# Allegro board Test_Version_2Layer_Buidling.brd (continued)
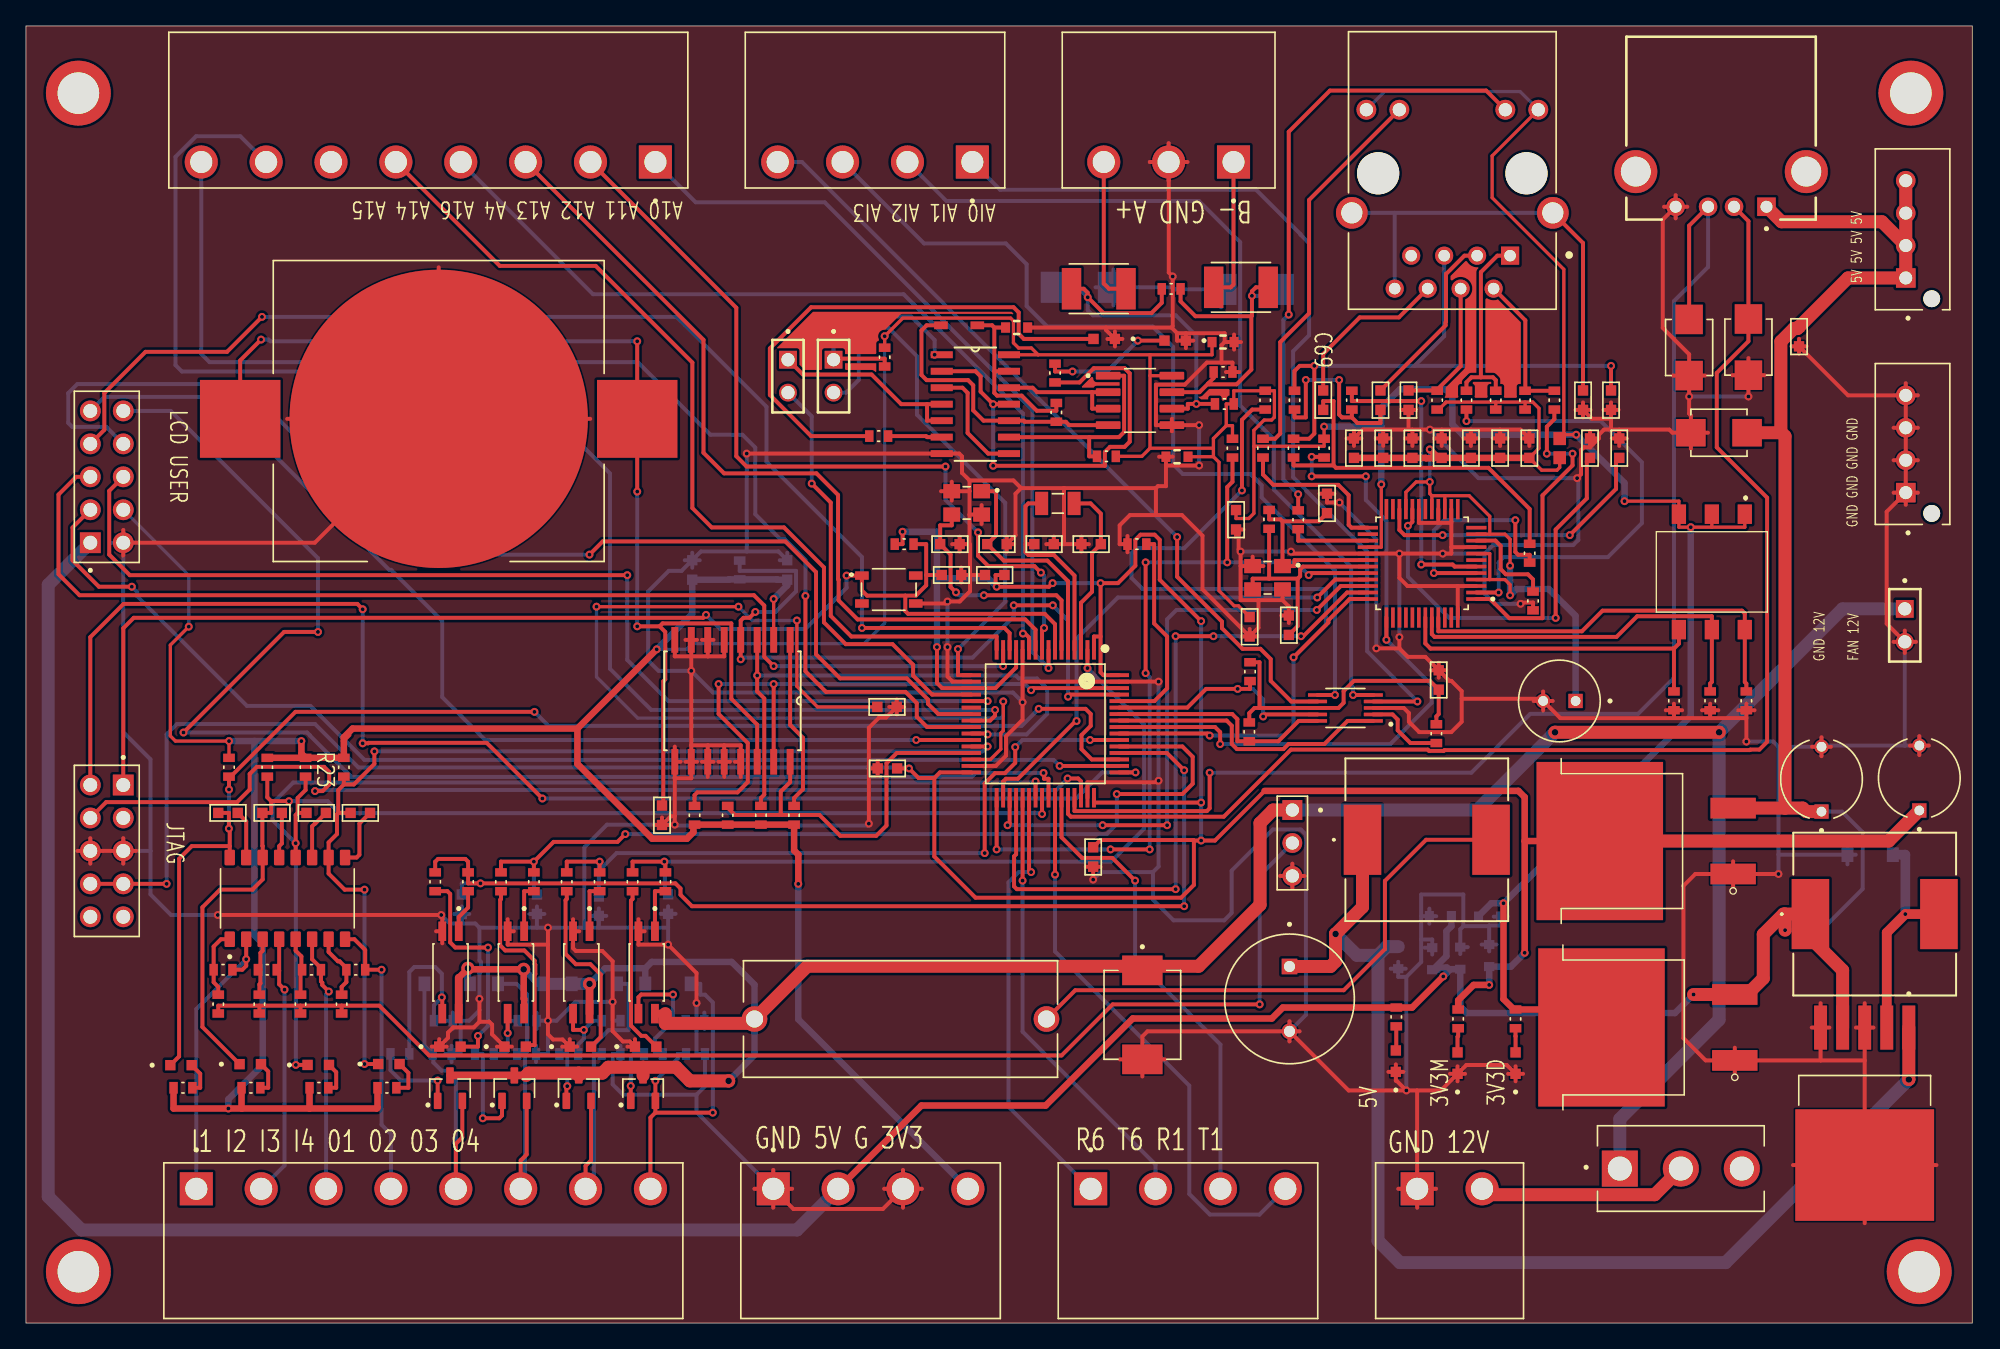
[diagram p0: board, top side]
## Routing (per net, layer and track width the routed paths; a pad name or vN(x,y) marks a point on that pad's centre or on a via; arc(x,y) is an arc through that point) (continued)
ADC1_IN13: length 69.9
  TOP w0.305: v1(76.84,53.15) 77.01,53.15 77.31,52.85 U34.11
  BOTTOM w0.305: J24.4 43.7,79.32 67.64,79.32 76.84,70.12 v1(76.84,53.15)
ADC1_IN14: length 109.9
  TOP w0.305: v1(74.69,47.27) 74.69,46.83 74.31,46.45 U34.24
  BOTTOM w0.305: v1(74.69,47.27) 48.19,47.27 45.01,50.44 45.01,65.5 37.15,73.36 12.02,73.36 11.52,73.85 11.52,89.91 13.11,91.5 16.52,91.5 J24.7
ADC1_IN15: length 94.7
  TOP w0.305: v1(60.07,56.06) 60.07,50.25 61.66,48.66 67.79,48.66 68.65,47.79 68.65,46.74 69.45,45.95 U34.25
  BOTTOM w0.305: v1(60.07,56.06) 60.07,58.84 58.49,60.43 58.14,60.43 56.21,62.36 56.21,67.5 55.22,68.48 52.75,68.48 47.16,74.08 14.15,74.08 13.51,74.72 J24.8
ADC_ADDR: length 22.2
  TOP w0.305: U34.57 92.53,46.45 92.93,46.05 92.93,44.65 93.33,44.25 96.92,44.25 97.31,44.64 100.07,44.64 101.85,46.42 U44.1
ADC_SCL: length 17.8
  TOP w0.305: U34.58 92.97,46.95 93.36,46.55 93.36,44.86 R2.2 96.52,44.86 98.08,46.42 U44.10
ADC_SDA: length 19.2
  TOP w0.305: v1(95.35,46.76) 95.51,46.92 U44.9 ; U34.59 89.51,47.45 90.95,48.89 v1(93.39,48.89) 94.34,48.89 R3.2
  BOTTOM w0.305: v1(95.35,46.76) 95.35,48.1 94.55,48.89 v1(93.39,48.89)
AIN1: length 68.3
  TOP w0.305: U44.5 v1(102.28,48.42)
  BOTTOM w0.305: J26.2 70.94,86.51 90.4,86.51 93.58,83.33 93.58,70.73 96.17,68.14 96.17,64.26 102.13,58.3 102.13,49.15 102.28,49 v1(102.28,48.42)
AIN2: length 69.7
  TOP w0.305: U44.6 v1(100.88,48.42)
  BOTTOM w0.305: v1(100.88,48.42) 100.88,58 95.24,63.65 95.24,64.59 94.37,65.45 89.16,65.45 88.41,66.2 88.41,75.24 86.83,76.83 78.71,76.83 77.12,78.42 77.12,81.63 75.52,83.23 69.21,83.23 J26.3
AIN3: length 61.9
  TOP w0.305: U44.7 97.52,47.92 95.93,49.51 95.93,51.19 95.14,51.98 93.76,51.98 92.18,53.57 92.18,54.08 88.72,57.54 v1(88.72,60.6)
  BOTTOM w0.305: J26.4 59.81,89.51 v1(88.72,60.6)
AINO: length 71.8
  TOP w0.305: U44.4 v1(107.24,47.92)
  BOTTOM w0.305: J26.1 75.08,87.37 94.8,87.37 98.23,83.94 98.23,83.91 98.89,83.25 98.89,76.15 97.66,74.92 97.66,65.21 98.71,64.17 98.71,64.14 103.37,59.48 103.37,51.79 v1(107.24,47.92)
B: length 24.5
  TOP w0.305: 94.44,77.62 90.13,77.62 88.98,78.76 R253.2 ; 94.44,77.62 94.49,77.67 v1(94.49,79.19) 94.49,79.55 94.79,79.85 F5.1 ; 94.44,77.62 94.44,73.51 93.3,72.37 91.17,72.37 91.11,72.43 ; 91.53,73.32 91.53,72.85 91.11,72.43 ; 91.11,72.43 90.44,71.77 U40.7
  BOTTOM w0.305: v1(94.49,79.19) 96,79.19 D119.C
BEEP: length 109.1
  TOP w0.305: U34.41 78.81,41.96 78.47,41.96 78.47,42.37 v1(78.42,42.41) ; v1(12.14,45.53) 19.9,53.28 v1(22.51,53.28)
  BOTTOM w0.305: v1(12.14,45.53) 21.67,45.53 21.88,45.31 21.88,45.3 25.08,42.1 72.88,42.1 73.19,42.41 v1(78.42,42.41) ; v1(22.51,53.28) 22.51,58.97 11.16,70.32 J72.10
BOOT0: length 16.2
  TOP w0.305: U34.60 86.97,47.95 87.95,48.93 87.95,52.94 86.95,53.94 86.95,60.05 R234.1
BUTTON1: length 91.9
  TOP w0.305: U34.50 v1(79.67,42.95) ; J72.3 3.59,61.33 3.59,58.8 5.62,56.77 v1(8.16,56.77)
  BOTTOM w0.305: v1(8.16,56.77) 8.57,56.35 8.57,56.04 17.03,47.58 21.92,47.58 26.09,43.42 79.2,43.42 v1(79.67,42.95)
BUTTON2: length 88.5
  TOP w0.305: U34.15 v1(75.31,50.65) ; J72.5 3.88,65.24 2.51,63.87 2.51,57.73 4.13,56.11 56.11,56.11 56.9,55.32 56.9,51.37 v1(57.62,50.65)
  BOTTOM w0.305: v1(75.31,50.65) v1(57.62,50.65)
BUTTON3: length 82.7
  TOP w0.305: U34.27 v1(68.61,44.95)
  BOTTOM w0.305: v1(68.61,44.95) 35.39,44.95 32.08,48.26 32.08,54.13 28.14,58.07 27.99,58.07 14.66,71.4 6.04,71.4 J72.9
CGND: length 36
  TOP w0.305: J10.15 120,83.26 C142.1
  BOTTOM w0.305: 105.49,85.59 J10.8 ; 105.49,85.59 J10.15 ; 105.49,85.59 102.19,85.59
ETHERNET_CS: length 63.9
  TOP w0.305: U14.32 99.02,57.82 v1(98.86,57.66) ; v1(86.29,50.11) v1(86.29,58.65) ; U34.33 v1(74.81,36.52) ; v1(83.59,36.52) v1(86.6,36.52) ; R70.1 92.99,64.86 92.58,64.45 v1(92.58,58.65)
  BOTTOM w0.305: v1(74.81,36.52) v1(83.59,36.52) ; v1(86.29,50.11) 86.6,49.8 v1(86.6,36.52) ; v1(98.86,57.66) 97.88,58.65 v1(92.58,58.65) v1(86.29,58.65)
ETHERNET_INTN: length 68.3
  TOP w0.305: U14.36 102.02,55.82 100.38,54.18 100.38,54.01 v1(97.69,51.32) ; U34.55 91.07,45.45 v1(91.23,45.29) ; v1(93.72,64.19) 93.72,69.63 94.51,70.42 R68.1
  BOTTOM w0.305: v1(93.72,64.19) 89.26,59.74 85.6,59.74 85.2,59.34 85.2,57.45 86.06,56.59 99.96,56.59 100.17,56.38 100.17,53.8 v1(97.69,51.32) 97.69,46.05 96.94,45.29 v1(91.23,45.29)
ETHERNET_MISO: length 46.9
  TOP w0.305: U34.35 75.81,38.54 v1(75.65,38.38) ; v1(99.48,54.97) 101.33,56.82 U14.34 ; v1(87.95,38.38) v1(82.98,38.38)
  BOTTOM w0.305: v1(82.98,38.38) v1(75.65,38.38) ; v1(99.48,54.97) 88.67,54.97 87.95,54.25 v1(87.95,38.38)
ETHERNET_MOSI: length 55.2
  TOP w0.305: U14.35 101.82,56.32 98.45,52.95 v1(98.27,52.95) ; v1(91.52,52.95) v1(88.6,52.95) ; v1(88.6,33.45) 76.37,33.45 76.15,33.67 76.15,35.98 76.31,36.14 U34.36
  BOTTOM w0.305: v1(88.6,52.95) v1(88.6,33.45) ; v1(98.27,52.95) v1(91.52,52.95)
ETHERNET_RTSN: length 54.4
  TOP w0.305: R67.1 100.05,66.78 v1(99.09,66.78) ; U14.37 v1(104.85,52.67) ; U34.56 91.64,45.95 92.04,45.55 v1(92.04,44.64) ; v1(99.09,65.28) v1(103.26,65.28)
  BOTTOM w0.305: v1(99.09,66.78) v1(99.09,65.28) ; v1(92.04,44.64) 105.15,44.64 108.33,47.81 108.33,49.19 v1(104.85,52.67) 104.85,61.87 103.26,63.46 v1(103.26,65.28)
ETHERNET_SCK: length 39.5
  TOP w0.305: U34.34 75.31,41.75 75.53,41.96 76.45,41.96 80.9,46.42 v1(80.97,46.42) ; v1(99.52,55.94) 100.9,57.32 U14.33
  BOTTOM w0.305: v1(99.52,55.94) 84.15,55.94 80.97,52.76 v1(80.97,46.42)
GPIO_INPUT_1: length 79.3
  TOP w0.305: U34.28 v1(74.11,44.45) ; C54.2 24.07,39.33 ; 24.07,39.33 24.07,41.09 24.5,41.52 ; 24.07,39.33 23.97,39.23 23.97,37.7 23.32,37.06 U8.10 23.32,34.65 24.56,33.41 v1(26.09,33.41) ; v1(26.85,44.07) 26.85,43.11 25.26,41.52 24.5,41.52 ; R24.2 24.5,41.52 ; D30.2 v1(26.09,19.97)
  BOTTOM w0.305: v1(74.11,44.45) 73.74,44.07 v1(26.85,44.07) ; v1(26.09,19.97) v1(26.09,33.41)
GPIO_INPUT_2: length 89.8
  TOP w0.305: 20.94,39.33 20.79,39.17 v1(20.79,36.99) U8.12 ; 20.94,39.33 20.94,40.48 21.55,41.09 R23.2 ; 20.94,39.33 C53.2 ; D29.2 v1(20.8,19.9) ; U34.39 v1(77.81,41.75)
  BOTTOM w0.305: v1(20.8,19.9) 20.8,36.98 v1(20.79,36.99) 19.01,38.77 19.01,40.08 20.6,41.67 77.73,41.67 v1(77.81,41.75)
GPIO_INPUT_3: length 88.6
  TOP w0.305: U34.40 v1(78.31,39.25) ; 18.9,40.23 18.6,40.53 R22.2 ; 18.9,40.23 18.9,39.33 C52.2 18.22,36.79 18.25,36.77 18.25,34.21 17.45,33.41 14.96,33.41 13.6,32.06 13.6,22.82 D28.2 ; 18.9,40.23 v1(20.27,40.23)
  BOTTOM w0.305: v1(20.27,40.23) 23.25,40.23 24.18,39.31 78.25,39.31 v1(78.31,39.25)
GPIO_INPUT_4: length 104.7
  TOP w0.305: D27.2 11.8,20.56 11.8,35.79 12.78,36.77 15.7,36.77 ; v1(15.65,41.13) R21.2 15.77,42.12 20.77,47.12 v1(39.19,47.12) ; U8.16 15.7,36.77 ; 15.7,36.77 15.7,38.06 v1(15.64,38.12) 15.64,39.33 C51.2 ; U34.51 82.14,43.45 81.35,44.24 81.35,45.33 82.06,46.04 82.06,46.96 81.66,47.35 v1(78.05,47.35)
  BOTTOM w0.305: v1(39.19,47.12) 40.27,46.04 76.74,46.04 v1(78.05,47.35) ; v1(15.64,38.12) 15.65,38.13 v1(15.65,41.13)
GPIO_OUTPUT_1: length 79.7
  TOP w0.305: R50.1 31.54,35.57 31.76,35.78 33.86,35.78 34.08,35.57 R49.2 34.08,33.9 v1(35.03,33.9) 50.05,33.9 50.45,33.5 50.45,33.02 51.33,32.14 v1(89.26,32.14) ; v1(89.26,42.62) 87.93,43.95 U34.52
  BOTTOM w0.305: C59.2 33.59,33.9 v1(35.03,33.9) ; v1(89.26,42.62) v1(89.26,32.14)
GPIO_OUTPUT_2: length 69.5
  TOP w0.305: v1(46.19,37.7) 45.59,37.1 40.67,37.1 v1(39.14,35.57) ; v1(39.14,35.57) 36.61,35.57 R56.1 ; v1(39.14,35.57) R54.2 ; v1(84.07,40.79) 89.13,40.79 89.92,41.58 89.92,43.66 89.13,44.45 U34.53
  BOTTOM w0.305: v1(84.07,40.79) 84.07,38.47 83.3,37.7 v1(46.19,37.7) ; v1(39.14,35.57) 39.14,33.27 C60.2
GPIO_OUTPUT_3: length 55
  TOP w0.305: R240.1 41.68,35.57 v1(44.21,35.57) R238.2 ; v1(76.24,44.4) 76.24,43.19 75.45,42.39 74.68,42.39 73.89,41.6 v1(73.89,36.23) ; U34.54 v1(82.01,44.95)
  BOTTOM w0.305: 44.15,34.86 C165.2 ; 44.15,34.86 45.52,36.23 v1(73.89,36.23) ; 44.15,34.86 44.15,35.51 v1(44.21,35.57) ; v1(76.24,44.4) 76.79,44.95 v1(82.01,44.95)
GPIO_OUTPUT_4: length 60.4
  TOP w0.305: R243.2 49.28,35.49 v1(49.2,35.57) 46.75,35.57 R245.1 ; U34.2 v1(81.81,50.49)
  BOTTOM w0.305: v1(81.81,50.49) 86.17,46.13 86.17,38.11 83.64,35.57 v1(49.2,35.57) 49.24,35.53 49.24,33.3 C168.2
I2C2_SCL: length 29.7
  TOP w0.305: R168.1 54.09,39.73 54.64,39.17 58.07,39.17 58.17,39.27 ; U34.29 67.11,43.95 66.32,43.16 66.32,38.36 65.53,37.56 62.76,37.56 61.15,39.17 58.27,39.17 58.17,39.27 ; U13.16 58.89,41.71 58.17,40.98 58.17,39.27
I2C2_SDA: length 51
  TOP w0.305: R169.1 51.53,40.7 51.74,40.91 54.84,40.91 55.63,41.71 55.63,44.71 53.38,46.96 v1(53.38,49.26) ; v1(77.47,48.79) 77.62,48.95 U34.62 ; U13.15 v1(57.62,49.26)
  BOTTOM w0.305: v1(77.47,48.79) 77,49.26 v1(57.62,49.26) v1(53.38,49.26)
INT_DS3231: length 44.4
  TOP w0.305: R64.1 56.64,40.48 56.9,40.74 56.9,48.16 56.36,48.7 v1(56.36,49.92) 56.36,52.67 ; v1(74.11,45.38) 74.05,45.45 U34.26
  BOTTOM w0.305: v1(56.36,49.92) 76.29,49.92 76.51,49.7 77.92,49.7 78.71,48.9 78.71,46.97 77.12,45.38 v1(74.11,45.38)
LINKLED: length 12.4
  TOP w0.305: U14.25 102.16,61.32 101.94,61.54 101.94,63.83 101.15,64.62 96.13,64.62 95.34,65.41 R72.2
N_GPIO_INPUT_1: length 22.5
  TOP w0.305: U8.2 v1(16.97,28.05) 16.97,27.54 16.67,27.24 R26.2
  BOTTOM w0.305: J23.1 13.13,24.2 v1(16.97,28.05)
N_GPIO_INPUT_2: length 20.4
  TOP w0.305: R28.2 19.41,27.16 19.52,27.16 ; v1(19.93,25.71) 19.52,26.12 19.52,27.16 ; 19.52,27.16 U8.4
  BOTTOM w0.305: J23.2 19.93,12.15 v1(19.93,25.71)
N_GPIO_INPUT_3: length 19.9
  TOP w0.305: U8.6 22.05,28.05 22.73,27.36 R30.2 22.73,26.34 22.84,26.24 22.84,26.06 v1(23.34,25.56)
  BOTTOM w0.305: v1(23.34,25.56) 23.13,25.35 J23.3
N_GPIO_INPUT_4: length 21.9
  TOP w0.305: v1(27.41,27.24) R32.2 26.14,28.75 25.31,29.59 U8.8
  BOTTOM w0.305: v1(27.41,27.24) 27.41,15.29 28.13,14.57 J23.4
N_GPIO_OUTPUT_1: length 24.1
  TOP w0.305: J23.5 33.13,13.81 33.63,14.31 Q3.2
  BOTTOM w0.305: D36.2 30.71,21.39 R53.1 31.4,20.7 31.4,20.09 32.03,19.46 32.55,19.46 33.13,18.88 J23.5
N_GPIO_OUTPUT_2: length 25.3
  TOP w0.305: J23.6 38.13,12.54 38.59,13 Q4.2
  BOTTOM w0.305: 38.46,20.75 38.62,20.9 38.62,25.36 37.82,26.15 D37.2 ; 38.46,20.75 38.46,10.68 J23.6 ; 38.46,20.75 R58.1
N_GPIO_OUTPUT_3: length 26.5
  TOP w0.305: J23.7 43.13,12.13 43.55,12.55 Q6.2
  BOTTOM w0.305: R242.1 43.77,20.75 ; 43.77,20.75 43.77,21.45 44.9,22.58 46.43,22.58 46.43,26.15 D109.2 ; 43.77,20.75 43.77,10.99 J23.7
N_GPIO_OUTPUT_4: length 27.6
  TOP w0.305: 48.51,16.22 v1(52.93,16.22) ; 48.51,16.22 Q7.2 v1(48.51,18.67) ; 48.51,16.22 48.13,15.84 J23.8
  BOTTOM w0.305: D111.2 51.97,26.15 51.97,25.32 52.34,25.32 52.93,24.72 v1(52.93,16.22) ; v1(48.51,18.67) 50.23,20.4 50.23,20.75 R247.1
NRST: length 99.2
  TOP w0.305: v1(52.41,54.6) 52.19,54.37 8.31,54.37 7.5,53.57 J76.1 ; v1(63.25,57.62) S4.1 64.42,56.48 64.82,56.08 67.77,56.08 ; 68.41,60.05 69.38,60.05 69.38,57.67 ; 69.38,57.67 69.38,56.87 68.59,56.08 67.77,56.08 ; 69.38,57.67 C160.2 ; 67.77,56.08 67.77,54.89 67.99,54.68 78.52,54.68 79.31,53.88 U34.7
  BOTTOM w0.305: v1(63.25,57.62) 63.25,56.68 60.07,53.51 53.5,53.51 v1(52.41,54.6)
P4: length 10.9
  TOP w0.305: C80.2 108.7,71.9 108.76,71.96 ; J10.4 110.57,73.77 108.76,71.96 ; 108.76,71.96 R75.2
P5: length 44.4
  TOP w0.305: R80.2 97.77,73.4 98.17,73.79 v1(99.29,73.79) 99.29,68.57 98.9,68.17 97.69,68.17 ; C79.2 v1(122.16,73.79)
  BOTTOM w0.305: 107.02,73.79 109.3,76.08 J10.5 ; 107.02,73.79 v1(122.16,73.79) ; 107.02,73.79 v1(99.29,73.79)
PA0: length 93.6
  TOP w0.305: v1(64.43,53.59) 75.41,53.59 75.81,53.19 U34.14 ; v1(18.19,77.57) 15.5,74.88 9.22,74.88 6.04,71.7 6.04,68.86 J72.7
  BOTTOM w0.305: v1(64.43,53.59) 64.43,59.05 57.07,66.41 57.07,70.65 50.15,77.57 v1(18.19,77.57)
PA2: length 33
  TOP w0.305: v1(60.56,64.72) 62.03,63.25 62.03,54.52 63.61,52.93 74.81,52.93 U34.16
  BOTTOM w0.305: v1(60.56,64.72) 60.56,69.9 J67.02
PA3: length 41.1
  TOP w0.305: v1(71.83,51.96) 71.83,49.95 U34.17
  BOTTOM w0.305: J68.02 63.2,71.73 64.18,72.71 64.18,75.73 65.19,76.74 66.48,76.74 68.67,74.54 68.67,70.03 75.47,63.23 75.47,55.6 v1(71.83,51.96)
PA5: length 83.9
  TOP w0.305: v1(46.34,57.66) 8.01,57.66 6.42,59.25 6.42,64.16 J72.6 ; U34.21 v1(74.11,47.95)
  BOTTOM w0.305: v1(74.11,47.95) 49.52,47.95 46.34,51.12 v1(46.34,57.66)
PA7: length 92.4
  TOP w0.305: U34.23 70.31,46.95 69.52,47.74 69.52,48.07 67.88,49.7 62.75,49.7 60.89,51.56 60.89,57.89 58.52,60.26 44.45,60.26 v1(43.43,59.24)
  BOTTOM w0.305: J72.8 6.19,69.09 3.56,69.09 3.26,69.4 3.26,71.69 3.96,72.39 16.75,72.39 29.9,59.24 v1(43.43,59.24)
PA9: length 43.7
  TOP w0.305: U34.42 v1(79.31,34.57)
  BOTTOM w0.305: v1(79.31,34.57) 79.31,28.65 89.66,18.3 89.66,9.95 91.24,8.36 95.07,8.36 J62.4
PA10: length 36.6
  TOP w0.305: U34.43 79.81,37.45 81.4,35.86 83.73,35.86 v1(85.48,34.11)
  BOTTOM w0.305: v1(85.48,34.11) 85.48,28.05 92.06,21.47 J62.3
PA11: length 102
  TOP w0.305: U34.44 80.31,39.25 80.53,39.04 92.32,39.04 97.49,44.21 108.03,44.21 108.13,44.11 109.27,44.11 109.33,44.17 132.86,44.17 132.9,44.21 133.59,44.21 134.19,44.81 134.19,63.63 130.31,67.51 130.31,73.25 132.75,75.69 D11.1 132.75,84.95 J66.02
PA12: length 99.8
  TOP w0.305: v1(91.23,42.43) 91.23,39.69 91.01,39.47 80.81,39.47 U34.45 ; D12.1 128.18,84.6 J66.03
  BOTTOM w0.305: J66.03 129.64,81.41 127.01,78.78 127.01,49.73 124.24,46.96 115.93,46.96 111.4,42.43 v1(91.23,42.43)
PA13: length 84
  TOP w0.305: v1(22.28,41.01) 22.86,41.01 23.37,41.52 23.37,42.49 22.98,42.88 17.79,42.88 17.24,42.33 17.24,41.13 16.27,40.16 6.18,40.16 J76.4 ; v1(80.28,41.98) 81.09,41.98 81.31,41.77 U34.46
  BOTTOM w0.305: v1(80.28,41.98) 79.4,41.1 22.36,41.1 v1(22.28,41.01)
PA14: length 107.4
  TOP w0.305: v1(25.95,55.03) 25.54,55.44 7.52,55.44 4.96,52.88 J76.2 ; U34.49 v1(85.51,42.45) ; v1(39.8,40.44) 35.51,44.73 26.41,44.73 26.37,44.7 v1(25.95,44.7)
  BOTTOM w0.305: v1(39.8,40.44) 80.93,40.44 82.94,42.45 v1(85.51,42.45) ; v1(25.95,44.7) v1(25.95,55.03)
PB8: length 52.7
  TOP w0.305: v1(55.09,51.17) 55.09,54.16 55.3,54.37 55.76,54.37 v1(56.21,54.82) ; v1(80.31,48.29) 80.47,48.45 U34.61 ; v1(76.13,55.33) v1(79.14,55.33)
  BOTTOM w0.305: v1(55.09,51.17) 55.21,51.3 72.95,51.3 76.13,54.48 v1(76.13,55.33) ; v1(56.21,54.82) 57.76,54.82 59.35,56.41 59.35,57.99 55.01,57.99 R249.1 ; v1(79.14,55.33) 80.31,54.16 v1(80.31,48.29)
PC6: length 34.4
  TOP w0.305: U34.37 v1(76.81,34.11)
  BOTTOM w0.305: v1(76.81,34.11) 76.81,22.46 87.06,12.21 J62.2
PC7: length 34.1
  TOP w0.305: v1(77.47,34.77) 77.31,34.92 U34.38
  BOTTOM w0.305: J62.1 75.72,16.69 75.72,33.97 76.51,34.77 v1(77.47,34.77)
PC14: length 13.5
  TOP w0.305: U34.3 81.31,55.53 82.16,56.38 82.16,59.37 C164.2 82.84,62.4 82.05,63.19 Y11.1
PC15: length 15.8
  TOP w0.305: Y11.2 77.25,63.19 77.03,62.97 77.03,60.05 ; 77.03,60.05 77.03,59.43 77.25,59.21 79.22,59.21 80.81,57.63 U34.4 ; 77.03,60.05 C163.2
PH0: length 18.2
  TOP w0.305: Y12.1 74.77,64.13 74.77,60.73 C161.2 75.35,58.78 78.72,58.78 80.31,57.19 U34.5
PH1: length 19.6
  TOP w0.305: Y12.3 71.35,61.5 70.46,61.5 C162.2 71.26,59.25 71.26,56.75 v1(71.68,56.33) ; v1(73.83,56.11) 79.41,56.11 79.81,55.71 U34.6
  BOTTOM w0.305: v1(71.68,56.33) 71.9,56.11 v1(73.83,56.11)
PMODE0: length 31.5
  TOP w0.305: R235.1 132.59,49.3 132.47,49.42 S15.2 132.47,54.71 132.25,54.92 121.51,54.92 119.91,53.33 108.85,53.33 U14.45
PMODE1: length 29.5
  TOP w0.305: U14.44 108.35,53.11 108.57,52.9 122.58,52.9 124.17,54.49 129.93,54.49 S15.4 129.93,49.43 129.8,49.3 R236.1
PMODE2: length 26.2
  TOP w0.305: 127.01,52 R237.1 ; 127.01,52 127.39,52.38 S15.6 ; 127.01,52 108.25,52 107.85,52.4 U14.43
RD+: length 14
  TOP w0.305: C68.1 109.41,76.92 109.41,77.16 109.44,77.19 109.44,80.87 110.86,82.29 J10.3
RD-: length 13
  TOP w0.305: J10.6 105.81,77.53 102.79,77.53 99.98,74.71 C69.2
RS485_A+: length 11.3
  TOP w0.305: J28.3 83.06,80.14 83.46,79.74 F4.2
RS485_B-: length 11.1
  TOP w0.305: J28.1 93.06,80.07 92.85,79.85 F5.2
RS485_RX: length 15.7
  TOP w0.305: J67.01 59.87,73.13 65.17,73.13 67.46,70.84 69.45,70.84 ; U39.4 69.45,70.84 ; 69.45,70.84 69.45,69.57 U39.5
RS485_TX: length 17.2
  TOP w0.305: U39.1 v1(70.03,74.65) ; J68.01 62.32,74.35 66.18,74.35 R260.2
  BOTTOM w0.305: J68.01 62.24,76.06 63.78,77.6 68.22,77.6 70.03,75.79 v1(70.03,74.65)
RX+: length 23.1
  TOP w0.305: R78.2 102.19,71.08 v1(107.53,71.08) ; v1(107.53,58.48) 109.95,58.48 110.11,58.32 U14.6
  BOTTOM w0.305: v1(107.53,71.08) v1(107.53,58.48)
RX-: length 17.4
  TOP w0.305: R79.2 115.89,59.23 115,59.23 114.79,59.45 v1(114.79,61.9) ; U14.5 v1(108.51,57.82)
  BOTTOM w0.305: v1(108.51,57.82) 108.51,61.1 109.3,61.9 v1(114.79,61.9)
TD+: length 14.9
  TOP w0.305: 112.13,72.91 113.06,72.91 113.28,72.7 R74.2 ; 112.13,72.91 111.4,72.91 111.02,72.53 R76.1 ; 112.13,72.91 112.13,81.02 113.4,82.29 J10.1
TD-: length 11.1
  TOP w0.305: J10.2 115.56,77.3 115.56,71.9 ; 115.56,71.9 115.58,71.88 R77.1 ; 115.56,71.9 R73.2
TX+: length 36.8
  TOP w0.305: U14.2 v1(113.5,56.32) ; R76.2 v1(111.02,69.54)
  BOTTOM w0.305: v1(111.02,69.54) 121.36,69.54 124.54,66.36 124.54,61.67 121.92,59.05 113.89,59.05 113.5,58.65 v1(113.5,56.32)
TX-: length 25
  TOP w0.305: U14.1 112.84,55.82 114.32,54.34 116.88,54.34 116.88,63.81 119.19,66.12 v1(119.19,67.02) ; v1(117.21,67.02) 117.21,69.11 117.79,69.69 R77.2
  BOTTOM w0.305: v1(117.21,67.02) v1(119.19,67.02)
VCAP: length 73.4
  TOP w0.254: C155.2 61,47.5 59.42,49.09 v1(59.42,54.16) ; v1(54.91,55.23) v1(43.97,55.23) ; v1(75.32,47.93) 75.32,45.67 75.13,45.48 75.13,44.24 74.33,43.45 U34.30
  BOTTOM w0.254: v1(75.32,47.93) 75.32,46.85 75.1,46.64 47.15,46.64 43.97,49.81 v1(43.97,55.23) ; v1(54.91,55.23) 55.97,54.16 v1(59.42,54.16)
VOUT: length 17.5
  TOP w0.75: U45.2 143.41,30.1 v1(144.84,31.53) L1.2
  BOTTOM w0.75: D6.1 144.84,36.11 v1(144.84,31.53)
N561413: length 29.3
  TOP w0.305: C69.1 99.98,71.08 100.77,71.08 100.77,66.12 ; R81.1 97.69,66.12 100.77,66.12 ; 100.77,66.12 100.96,65.93 112.72,65.93 115.89,62.76 R79.1
N561439: length 14.7
  TOP w0.305: 102.19,69.82 101.42,69.82 101.21,70.04 v1(101.21,72.7) ; 102.19,69.82 R78.1 ; 102.19,69.82 102.62,69.39 104.39,69.39 C68.2 ; v1(98.64,72.7) 98.64,69.82 97.77,69.82 R80.1
  BOTTOM w0.305: v1(98.64,72.7) v1(101.21,72.7)
N562363: length 48.4
  TOP w0.305: R71.1 v1(98.05,63.89) ; J10.10 112.54,95.02 100.5,95.02 97.32,91.84 v1(97.32,77.75)
  BOTTOM w0.305: v1(97.32,77.75) 96.91,77.33 96.91,65.04 v1(98.05,63.89)
N562453: length 30.3
  TOP w0.305: 95.34,68.17 96.27,68.17 96.67,68.57 96.67,75.62 98.89,77.85 98.89,86.59 J10.11
N562641: length 7.6
  TOP w0.305: U14.10 113.26,60.32 113.65,59.92 113.65,58.12 114.05,57.73 115.75,57.73 116.15,57.33 R69.1
N562707: length 31.5
  TOP w0.305: U14.20 106.85,61.77 106.55,61.47 v1(106.51,61.47) ; C64.2 120.29,66.45 120.29,63.58 117.89,61.18 v1(117.89,54.36)
  BOTTOM w0.305: v1(106.51,61.47) 106.51,57.54 109.68,54.36 v1(117.89,54.36)
N562759: length 22.4
  TOP w0.305: v1(118.98,60.74) 122.55,64.31 122.55,66.45 C65.1 ; v1(109.18,60.74) 106.25,60.74 105.85,61.14 U14.22
  BOTTOM w0.305: v1(118.98,60.74) v1(109.18,60.74)
N588900: length 6.3
  TOP w0.305: R4.2 106.7,44.72 105.72,45.7 105.72,46.52 105.32,46.92 U44.2
N605674: length 1.9
  TOP w0.305: 114.8,20.86 114.8,22.12 114.8,22.12 R224.1
N605802: length 1.9
  TOP w0.305: D106.1 105.61,21.05 R225.1
N634368: length 99.4
  TOP w0.305: R29.2 21.16,24.47 ; 21.16,24.47 17.99,24.47 ; 21.16,24.47 24.33,24.47 ; 17.99,24.47 14.82,24.47 R25.2 ; 17.99,24.47 R27.2 ; 24.33,24.47 R31.2 ; 24.33,24.47 27.23,24.47 31.07,20.63 79.81,20.63 83.75,24.57 v1(95.08,24.57)
  BOTTOM w0.305: v1(95.08,24.57) 95.08,34.49 J22.2
N634464: length 5.3
  TOP w0.305: U8.1 15.03,29.59 14.46,29.03 14.46,26.27 14.82,25.92 14.82,25.31
N634600: length 2.6
  TOP w0.305: R17.2 13.43,18.14 13.43,19.23 D27.1
N634616: length 4.6
  TOP w0.305: R28.1 18.07,27.24 ; 18.07,27.24 18.07,28.54 18.25,28.71 18.25,29.59 ; 18.07,27.24 18.07,26.19 17.99,26.11 17.99,25.31
N634652: length 3.7
  TOP w0.305: U8.15 16.97,38.67 C51.1
N634776: length 4.6
  TOP w0.305: U8.5 20.79,28.71 21.23,28.27 21.23,27.18 ; 21.23,27.18 21.16,27.11 21.16,25.31 ; 21.23,27.18 21.29,27.24
N634812: length 3.5
  TOP w0.305: C52.1 19.72,36.97 19.52,36.77 U8.13
N634928: length 5.1
  TOP w0.305: 24.33,25.31 24.33,25.92 24.7,26.28 R32.1 24.7,27.36 24.17,27.89 24.05,27.89 23.32,28.61 U8.7
N634964: length 3.9
  TOP w0.305: U8.11 22.05,38.3 22.27,38.51 22.3,38.51 C53.1
N635092: length 4.8
  TOP w0.305: U8.9 25.48,35.89 25.7,36.11 25.7,38.51 C54.1
N637436: length 3.4
  TOP w0.305: R49.1 34.08,32.03 33.35,31.31 33.35,30.2
N637488: length 14.3
  TOP w0.305: v1(32.05,25.11) 32.09,25.07 U10.3
  BOTTOM w0.305: R52.1 31.45,24.51 v1(32.05,25.11) 32.05,26.94 31.53,27.45 29.93,27.45 29.55,27.06 R51.2
N637500: length 6.8
  TOP w0.305: Q3.1 v1(31.73,18.7)
  BOTTOM w0.305: v1(31.73,18.7) 28.89,18.7 28.09,19.49 R51.1
N637646: length 17.3
  TOP w0.305: v1(35.61,28.95) 33.09,28.95 32.69,29.35 32.69,33.08 32.48,33.3 R50.2 ; v1(34.84,22.14) 34.84,21.31 D35.1
  BOTTOM w0.305: v1(35.61,28.95) 35.61,22.91 v1(34.84,22.14)
N637832: length 3.8
  TOP w0.305: 38.39,30.2 38.39,33.3 R54.1
N637892: length 5.8
  TOP w0.305: U11.3 v1(37.12,22.36)
  BOTTOM w0.305: R55.2 36.91,20.75 37.12,20.97 v1(37.12,22.36) 37.12,23.31 R57.1
N637904: length 8.3
  TOP w0.305: Q4.1 36.69,16 36.47,15.79 v1(35.21,15.79)
  BOTTOM w0.305: R55.1 35.21,20.75 v1(35.21,15.79)
N637978: length 14.6
  TOP w0.305: R56.2 36.61,32.69 36.55,32.63 36.55,29.12 36.94,28.73 38.41,28.73 39.21,27.93 39.21,27.67 39.26,27.62 39.26,26.91 39.21,26.86 39.21,21.43 38.65,21.43 D38.1
N642891: length 3.9
  TOP w0.305: 43.44,30.2 43.44,33.3 R238.1
N642943: length 5.8
  TOP w0.305: v1(43,22.6) 42.16,22.6 U37.3
  BOTTOM w0.305: R239.2 42.56,21.48 43,21.91 v1(43,22.6) 43.71,23.31 R241.1
N642955: length 4.3
  TOP w0.305: Q6.1 41.65,18.2 v1(41.72,18.26)
  BOTTOM w0.305: v1(41.72,18.26) 41.72,20.75 R239.1
N643101: length 14.1
  TOP w0.305: R240.2 41.68,32.69 41.59,32.6 41.59,28.46 42.38,27.66 43.5,27.66 44.3,26.87 44.3,22.05 D110.1
N643287: length 3.9
  TOP w0.305: R243.1 48.48,33.3 48.48,30.2
N643347: length 10.7
  TOP w0.305: v1(49.87,25.33) 47.42,25.33 47.2,25.11 U38.3
  BOTTOM w0.305: R246.1 49.87,23.31 ; 49.87,23.31 48.47,21.91 48.47,20.75 R244.2 ; 49.87,23.31 v1(49.87,25.33)
N643359: length 4.5
  TOP w0.305: Q7.1 v1(46.61,18.28)
  BOTTOM w0.305: v1(46.61,18.28) 46.61,20.53 46.83,20.75 R244.1
N643433: length 13
  TOP w0.305: R245.2 46.75,32.69 46.63,32.57 46.63,22.94 47.42,22.14 47.75,22.14 D112.1
N652966: length 90.7
  TOP w0.305: BT1.P1 16.51,74.21 v1(18.12,75.82) ; C111.2 49.12,40 49.12,49.47 49.27,49.63 49.27,53.28 48.84,53.71 ; v1(47.11,53.71) 48.84,53.71 ; 48.84,53.71 49.06,53.94 54.36,53.94 54.36,48.13 56.36,46.14 U13.14 ; v1(47.11,75.69) BT1.P2 v1(47.11,64.1)
  BOTTOM w0.305: v1(47.11,64.1) v1(47.11,53.71) ; v1(47.11,75.69) 18.83,75.69 18.7,75.82 v1(18.12,75.82)
N689903: length 13.5
  TOP w0.305: R250.1 59.2,40.48 59.88,41.16 59.88,45.13 58.89,46.11 58.89,52.67
N749851: length 43.1
  TOP w0.305: F8.2 80.87,25.66 101.56,25.66 104.73,28.83 104.73,34.09 107.91,37.26 L2.2
N6057860: length 1.9
  TOP w0.305: 110.33,20.86 110.33,22.07 110.38,22.12 R227.1
N6347040: length 2.7
  TOP w0.305: D28.1 18.67,19.4 18.67,18.14 R18.2
N6348600: length 2.6
  TOP w0.305: R19.2 23.91,18.14 23.91,19.35 D29.1
N6350120: length 3
  TOP w0.305: R20.2 29.47,18.14 29.47,19.29 D30.1
N6478961: length 16.3
  TOP w1: J27.2 112.67,9.9 125.53,9.9 S5.2
N7023880: length 10
  TOP w0.305: v1(80.66,73.36) 79.31,73.36 R257.1 ; 87.75,75.74 v1(85.69,75.74)
  BOTTOM w0.305: v1(85.69,75.74) 83.31,73.36 v1(80.66,73.36)
N7029370: length 40.8
  TOP w0.305: R259.1 60.51,68.38 57.33,71.56 57.33,75.14 60.51,78.31 76.11,78.31 76.51,77.92 76.51,76.27 76.91,75.87 D117.1

## Copper pours and planes (outline as drawn; the poured copper is in the pictures)
GND on TOP (solid shape): 65.53,73.42 65.53,73.37 65.48,73.32 65.42,73.38 65.31,73.45 65.17,73.48 63.23,73.48 63.15,73.51 63.13,73.58 63.13,74 65.53,74
GND on TOP (solid shape): 82.08,72.9 82.19,72.92 82.25,72.83 82.25,72.81 82.34,72.62 82.53,72.53 84.28,72.53 84.28,72.27 82.53,72.27 82.39,72.23 82.29,72.12 81.4,72.12 81.38,72.21 81.41,72.24 81.45,72.27
GND on TOP (solid shape): 92.66,72.02 92.73,71.98 92.76,71.91 92.76,71.88 92.76,71.51 92.72,71.51 92.6,71.44 92.56,71.31 92.56,71.19 92.51,71.19 92.41,71.17 92.32,71.13 92.21,71.12 92.16,71.21 92.16,71.31 92.1,71.45 91.96,71.51 91.31,71.51 91.17,71.45 91.11,71.31 91.11,71.21 90.56,71.21 90.5,71.27 90.42,71.32 90.39,71.33 90.39,71.41 90.44,71.41 90.58,71.44 90.69,71.52 91.2,72.02
GND on TOP (solid shape): 112.48,78.9 112.54,78.99 112.64,78.98 112.87,78.88 113.11,78.85 113.27,78.86 113.42,78.9 113.45,78.92 115.2,77.16 115.2,72.4 115.09,72.4 114.94,72.34 114.88,72.2 114.88,71.55 114.89,71.51 114.9,71.47 114.89,71.38 114.81,71.33 114,71.33 113.92,71.38 113.91,71.47 113.92,71.51 113.93,71.55 113.93,72.2 113.87,72.34 113.73,72.4 113.63,72.4 113.63,72.7 113.6,72.83 113.53,72.95 113.31,73.16 113.2,73.24 113.06,73.26 112.48,73.26
GND on TOP (solid shape): 76.1,77.82 76.04,77.76 76.01,77.78 75.95,77.8 75.89,77.8 67.58,77.8 67.45,77.78 67.34,77.71 66.22,76.58 66.18,76.58 65.82,76.44 65.67,76.08 65.69,75.96 65.73,75.85 65.73,75.77 65.67,75.71 65.57,75.64 65.53,75.52 65.53,74.87 65.53,74.83 65.51,74.74 65.44,74.7 63.13,74.7 63.13,74.95 63.07,75.1 62.92,75.16 61.55,75.16 61.41,75.1 61.35,74.95 61.33,73.51 61.25,73.48 60.02,73.48 59.62,73.88 59.62,74.95 59.56,75.1 59.42,75.16 58.05,75.16 58.01,75.15 57.97,75.14 57.94,75.13 57.88,75.19 60.65,77.96 75.97,77.96
GND on TOP (solid shape): 110.91,81.84 111,81.87 111.07,81.82 111.4,81.51 111.84,81.39 111.9,81.39 111.95,81.34 111.88,81.27 111.81,81.16 111.78,81.02 111.78,73.26 111.4,73.26 111.27,73.24 111.15,73.16 110.77,72.78 110.69,72.66 110.67,72.53 110.67,72.4 110.57,72.4 110.43,72.34 110.37,72.2 110.37,71.55 110.37,71.51 110.38,71.47 110.38,71.38 110.29,71.33 109.44,71.33 109.4,71.33 109.35,71.36 109.36,71.41 109.4,71.48 109.41,71.55 109.41,72.11 110.82,73.52 110.9,73.63 110.92,73.77 110.92,78.92 111.32,79.25 111.47,79.75 111.21,80.39 110.57,80.65 110.24,80.59 109.96,80.41 109.85,80.4 109.79,80.49 109.79,80.72
GND on TOP, BOTTOM: 0,0 150,0 150,100 0,100
GND on TOP (solid shape): 112.92,72.55 112.92,72.4 112.83,72.4 112.69,72.34 112.63,72.2 112.63,71.55 112.63,71.51 112.64,71.47 112.63,71.38 112.55,71.33 111.75,71.33 111.66,71.38 111.65,71.47 111.66,71.51 111.67,71.55 111.67,72.2 111.64,72.31 111.56,72.38 111.5,72.45 111.53,72.54 111.55,72.56 112.92,72.56

## Text on the board
Ref Des/Silkscreen Top: GND 12V | GND GND GND GND | FAN 12V | 5V 5V 5V 5V | 5V | 3V3M | 3V3D | A10 A11 A12 A13 A4 A16 A14 A15 | AI0 AI1 AI2 AI3 | JTAG | LCD USER | I1 I2 I3 I4 01 02 03 04 | GND 5V G 3V3 | R6 T6 R1 T1 | B- GND A+
